# Altium PCB UM-64NNP-V1 rev 0.18_norail.PcbDoc (part 4 of 5)
Units mil, origin at the board's own origin, x right, y up, seen from the top; angles counter-clockwise.
Board outline 2614 x 1090.63 mil, 6 copper layers (L1, L2, L3, L4, L5, L6), stack 20.4 mil thick; 321 components, 171 nets, 960 pads, 1775 vias.
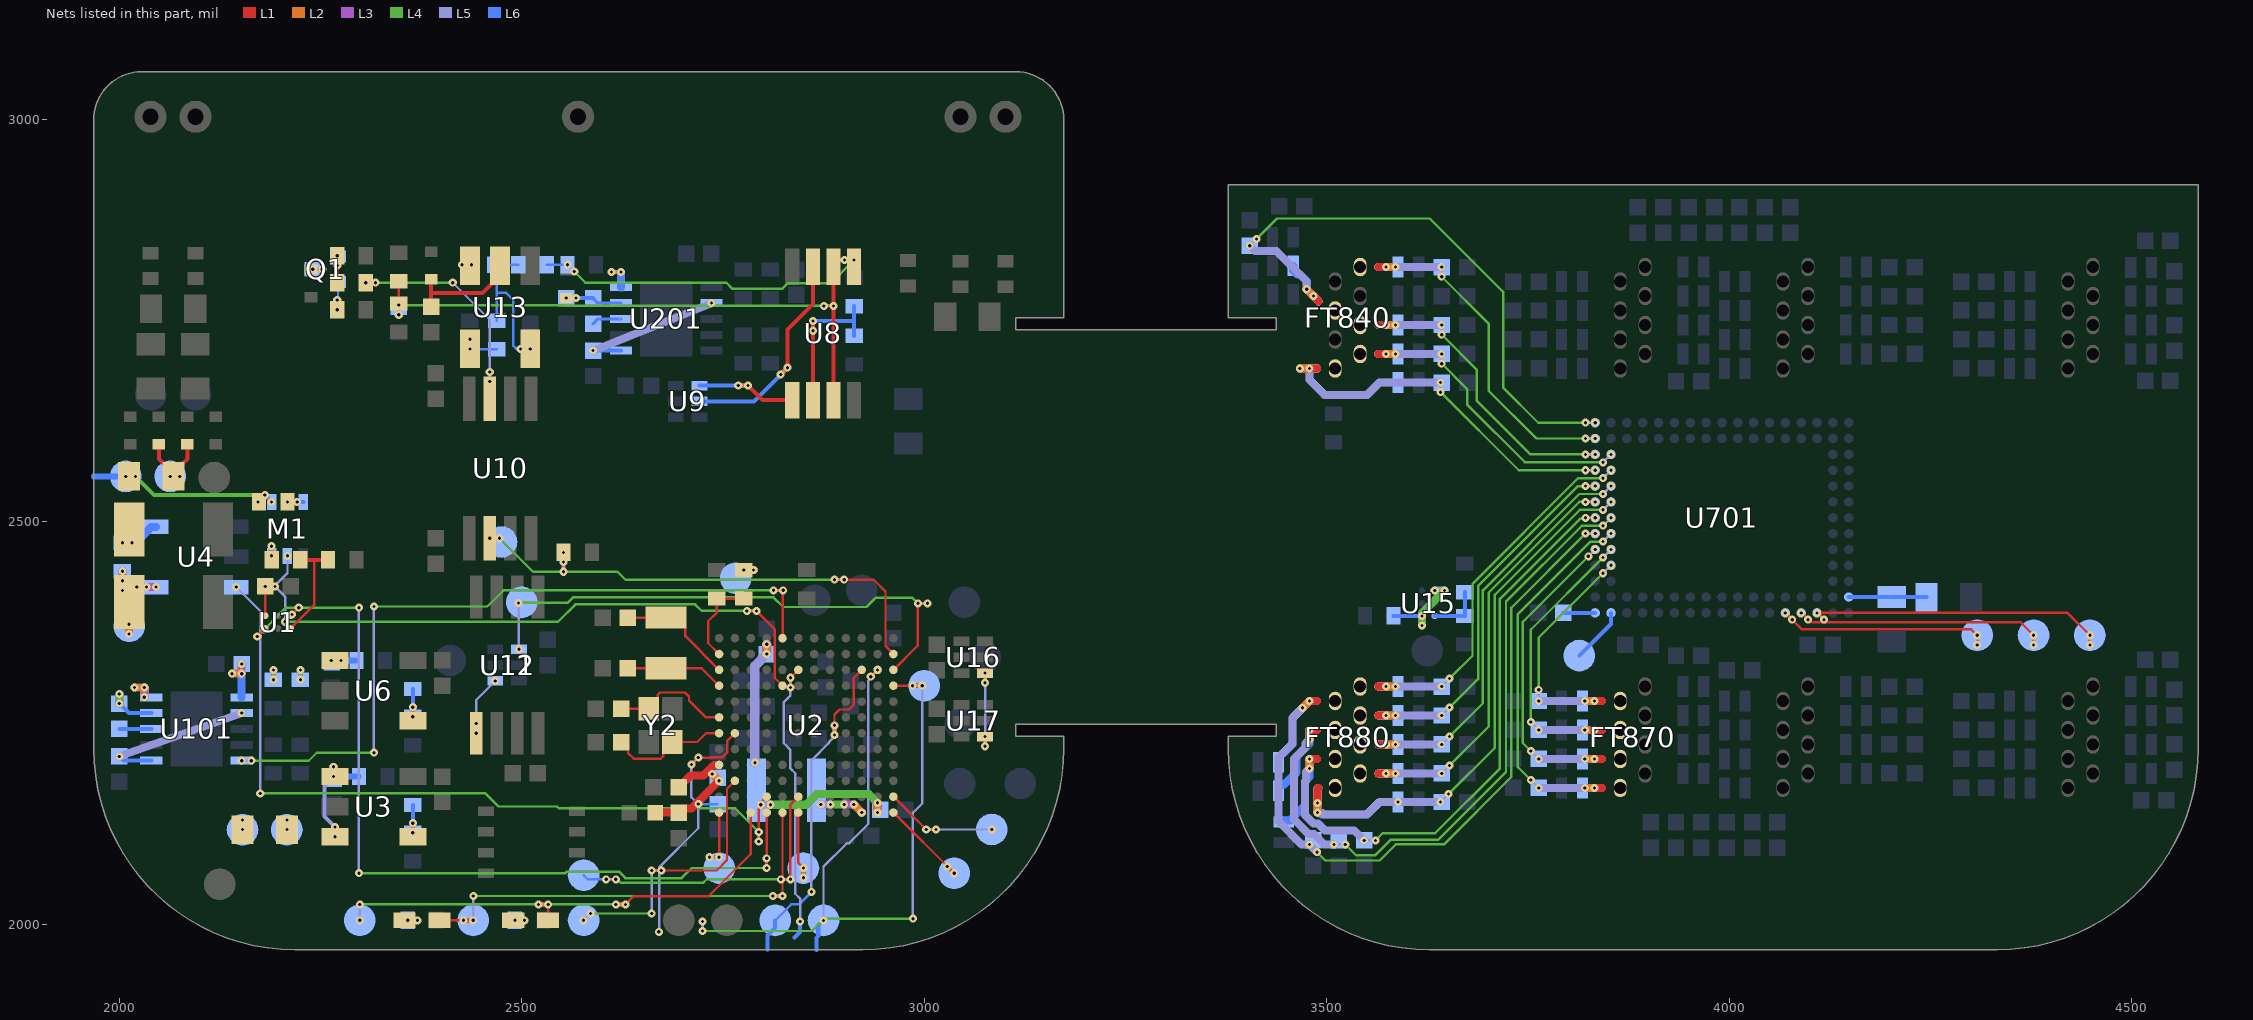
[diagram p8: the nets of this part, all layers, seen from the top]

## Via types
v1: diameter 10, hole 4, L5 to L6, tented bottom, 479 vias
v2: diameter 10, hole 4, L4 to L5, tented top, 389 vias
v3: diameter 10, hole 4, L3 to L4, 304 vias
v4: diameter 10, hole 4, L2 to L3, 295 vias
v5: diameter 10, hole 4, L1 to L2, tented top, 270 vias
v6: diameter 10, hole 4, L4 to L5, 32 vias
v7: diameter 10, hole 4, L3 to L4, tented both sides, 5 vias
v8: diameter 10, hole 4, L5 to L6, tented top, 1 vias

## Nets (pads, with @x,y where several pads share a name; then routed paths per layer and width w, separated by ;. In a path a pad name is that pad's centre, name@x,y a point inside that pad or via, vN(x,y) a via of type N, cw(c..) or ccw(c..) an arc to the next point about the centre after c; other vN are vias at no path point) (continued)
IN47: C842.2 D842.1 FT840.2 U701.A17 | length 869.7
  L1 w10: v5(3483.55,2780.45) 3490,2774
  L3 w10: v4(3475.07,2788.93) v5(3483.55,2780.45) 3490,2774
  L4 w3: v2(3412.74,2851.48) 3438.04,2876.78 3627.97,2876.78 3718.98,2785.77 3718.98,2666.81 3762.62,2623.18 v2(3821.37,2623.18)
  L4 w10: v4(3475.07,2788.93) v5(3483.55,2780.45) 3490,2774
  L2 w10: v4(3475.07,2788.93) v5(3483.55,2780.45) 3490,2774
  L5 w3: v1(3404.26,2842.99) v2(3412.74,2851.48) ; v2(3821.37,2623.18) v1(3833.37,2623.18)
  L5 w10: v1(3404.26,2842.99) 3411.05,2836.19 3437.72,2836.19 3475.07,2798.85 v4(3475.07,2788.93) v5(3483.55,2780.45) 3490,2774
  L6 w10: D842.1@3458.39,2818.04 3458.39,2812.13 3463.39,2807.13 3466.95,2807.13 3475.74,2798.35 3475.74,2788.26 v5(3483.55,2780.45) 3490,2774
  other v1: 3483.55,2780.45
  other v2: 3475.07,2788.93
  other v3: 3483.55,2780.45
IN48: C845.2 D845.1 FT840.5 U701.B17 | length 521.8
  L1 w10: 3564.38,2816.5 v1(3573.5,2816.5)
  L3 w10: 3564.38,2816.5 v1(3573.5,2816.5) v2(3585.5,2816.5)
  L4 w3: v2(3642.75,2804.5) 3700.99,2746.26 3700.99,2662.92 3760.42,2603.5 v2(3821.37,2603.5)
  L4 w10: 3564.38,2816.5 v1(3573.5,2816.5) v2(3585.5,2816.5)
  L2 w10: 3564.38,2816.5 v1(3573.5,2816.5) v2(3585.5,2816.5)
  L5 w3: v2(3642.75,2804.5) v1(3642.75,2816.5) ; v2(3821.37,2603.5) v1(3833.37,2603.5)
  L5 w10: 3564.38,2816.5 v1(3573.5,2816.5) ; v2(3585.5,2816.5) v1(3573.5,2816.5) ; v1(3642.75,2816.5) v1(3573.5,2816.5)
  L6 w10: 3564.38,2816.5 v1(3573.5,2816.5) D845.1@3588.62,2816.5
  other v3: 3573.5,2816.5
  other v4: 3585.5,2816.5
  other v5: 3573.5,2816.5
IN49: C848.2 D848.1 FT840.8 U701.C16 | length 475.5
  L1 w10: 3564.38,2708.5 v1(3573.5,2708.5)
  L3 w10: 3564.38,2708.5 v1(3573.5,2708.5) v2(3585.5,2708.5)
  L4 w3: v2(3642.75,2696.5) 3674.25,2665.01 3674.25,2645.73 3746.01,2573.97 v2(3843.21,2573.97)
  L4 w10: 3564.38,2708.5 v1(3573.5,2708.5) v2(3585.5,2708.5)
  L2 w10: 3564.38,2708.5 v1(3573.5,2708.5) v2(3585.5,2708.5)
  L5 w3: v2(3642.75,2696.5) v1(3642.75,2708.5) ; v2(3843.21,2573.97) v1(3853.05,2583.81)
  L5 w10: 3564.38,2708.5 v1(3573.5,2708.5) ; v2(3585.5,2708.5) v1(3573.5,2708.5) ; v1(3642.75,2708.5) v1(3573.5,2708.5)
  L6 w10: 3564.38,2708.5 v1(3573.5,2708.5) D848.1@3588.62,2708.5
  other v3: 3573.5,2708.5
  other v4: 3585.5,2708.5
  other v5: 3573.5,2708.5
IN50: C847.2 D847.1 FT840.7 U701.C17 | length 473.8
  L1 w10: 3564.38,2744.5 v1(3573.5,2744.5)
  L3 w10: 3564.38,2744.5 v1(3573.5,2744.5) v2(3585.5,2744.5)
  L4 w3: v2(3642.75,2732.5) 3686.11,2689.14 3686.11,2650.75 3753.05,2583.81 v2(3821.37,2583.81)
  L4 w10: 3564.38,2744.5 v1(3573.5,2744.5) v2(3585.5,2744.5)
  L2 w10: 3564.38,2744.5 v1(3573.5,2744.5) v2(3585.5,2744.5)
  L5 w3: v2(3642.75,2732.5) v1(3642.75,2744.5) ; v2(3821.37,2583.81) v1(3833.37,2583.81)
  L5 w10: 3564.38,2744.5 v1(3573.5,2744.5) ; v2(3585.5,2744.5) v1(3573.5,2744.5) ; v1(3642.75,2744.5) v1(3573.5,2744.5)
  L6 w10: 3564.38,2744.5 v1(3573.5,2744.5) D847.1@3588.62,2744.5
  other v3: 3573.5,2744.5
  other v4: 3585.5,2744.5
  other v5: 3573.5,2744.5
IN51: C885.2 D885.1 FT880.5 U701.D16 | length 560.8
  L1 w10: 3564.38,2295.5 v1(3573.5,2295.5)
  L3 w10: 3564.38,2295.5 v1(3573.5,2295.5) v2(3585.5,2295.5)
  L4 w3: v2(3652.59,2305.34) 3681.01,2333.77 3681.01,2422.86 3812.44,2554.29 v2(3843.21,2554.29)
  L4 w10: 3564.38,2295.5 v1(3573.5,2295.5) v2(3585.5,2295.5)
  L2 w10: 3564.38,2295.5 v1(3573.5,2295.5) v2(3585.5,2295.5)
  L5 w3: v1(3642.75,2295.5) v2(3652.59,2305.34) ; v2(3843.21,2554.29) v1(3853.05,2564.13)
  L5 w10: 3564.38,2295.5 v1(3573.5,2295.5) ; v2(3585.5,2295.5) v1(3573.5,2295.5) ; v1(3642.75,2295.5) v1(3573.5,2295.5)
  L6 w10: 3564.38,2295.5 v1(3573.5,2295.5) D885.1@3588.62,2295.5
  other v3: 3573.5,2295.5
  other v4: 3585.5,2295.5
  other v5: 3573.5,2295.5
IN52: C844.2 D844.1 FT840.4 U701.D17 | length 676.5
  L1 w10: v1(3478.51,2690.5) 3487.63,2690.5
  L3 w10: v2(3466.51,2690.5) v1(3478.51,2690.5) 3487.63,2690.5
  L4 w3: v2(3641.45,2661.07) 3738.39,2564.13 v2(3821.37,2564.13)
  L4 w10: v2(3466.51,2690.5) v1(3478.51,2690.5) 3487.63,2690.5
  L2 w10: v2(3466.51,2690.5) v1(3478.51,2690.5) 3487.63,2690.5
  L5 w3: v2(3641.45,2661.07) v1(3641.45,2673.07) ; v2(3821.37,2564.13) v1(3833.37,2564.13)
  L5 w10: v2(3466.51,2690.5) v1(3478.51,2690.5) ; 3487.63,2690.5 v1(3478.51,2690.5) ; v1(3641.45,2673.07) 3565.36,2673.07 3549.79,2657.5 3497.48,2657.5 3478.51,2676.47 v1(3478.51,2690.5)
  L6 w10: 3487.63,2690.5 v1(3478.51,2690.5) 3478.51,2676.47 3497.48,2657.5 3549.79,2657.5 3565.36,2673.07 D844.1@3588.62,2673.07
  other v3: 3478.51,2690.5
  other v4: 3466.51,2690.5
  other v5: 3478.51,2690.5
IN53: C887.2 D887.1 FT880.7 U701.E16 | length 612.4
  L1 w10: 3564.38,2223.5 v1(3573.5,2223.5)
  L3 w10: 3564.38,2223.5 v1(3573.5,2223.5) v2(3585.5,2223.5)
  L4 w3: v2(3652.59,2233.34) 3694.01,2274.76 3694.01,2414.92 3813.68,2534.6 v2(3843.21,2534.6)
  L4 w10: 3564.38,2223.5 v1(3573.5,2223.5) v2(3585.5,2223.5)
  L2 w10: 3564.38,2223.5 v1(3573.5,2223.5) v2(3585.5,2223.5)
  L5 w3: v1(3642.75,2223.5) v2(3652.59,2233.34) ; v2(3843.21,2534.6) v1(3853.05,2544.44)
  L5 w10: 3564.38,2223.5 v1(3573.5,2223.5) ; v2(3585.5,2223.5) v1(3573.5,2223.5) ; v1(3642.75,2223.5) v1(3573.5,2223.5)
  L6 w10: 3564.38,2223.5 v1(3573.5,2223.5) D887.1@3588.62,2223.5
  other v3: 3573.5,2223.5
  other v4: 3585.5,2223.5
  other v5: 3573.5,2223.5
IN54: C886.2 D886.1 FT880.6 U701.E17 | length 563.4
  L1 w10: 3564.38,2259.5 v1(3573.5,2259.5)
  L3 w10: 3564.38,2259.5 v1(3573.5,2259.5) v2(3585.5,2259.5)
  L4 w3: v2(3652.59,2269.34) 3688.01,2304.76 3688.01,2420.32 3812.12,2544.44 v2(3821.37,2544.44)
  L4 w10: 3564.38,2259.5 v1(3573.5,2259.5) v2(3585.5,2259.5)
  L2 w10: 3564.38,2259.5 v1(3573.5,2259.5) v2(3585.5,2259.5)
  L5 w3: v1(3642.75,2259.5) v2(3652.59,2269.34) ; v2(3821.37,2544.44) v1(3833.37,2544.44)
  L5 w10: 3564.38,2259.5 v1(3573.5,2259.5) ; v2(3585.5,2259.5) v1(3573.5,2259.5) ; v1(3642.75,2259.5) v1(3573.5,2259.5)
  L6 w10: 3564.38,2259.5 v1(3573.5,2259.5) D886.1@3588.62,2259.5
  other v3: 3573.5,2259.5
  other v4: 3585.5,2259.5
  other v5: 3573.5,2259.5
IN55: C884.2 D884.1 FT880.4 U701.F16 | length 913.7
  L1 w10: v1(3488.6,2150.87) 3488.6,2168.37 3489.73,2169.5
  L3 w10: v2(3488.6,2138.87) v1(3488.6,2150.87) 3488.6,2169.55
  L4 w3: v2(3651.29,2161.91) 3708.69,2219.31 3708.69,2409.36 3814.25,2514.92 v2(3843.21,2514.92)
  L4 w10: v2(3488.6,2138.87) v1(3488.6,2150.87) 3488.6,2169.11
  L2 w10: v2(3488.6,2138.87) v1(3488.6,2150.87) 3488.6,2168.37 3489.73,2169.5
  L5 w3: v1(3641.45,2152.07) v2(3651.29,2161.91) ; v2(3843.21,2514.92) v1(3853.05,2524.76)
  L5 w10: v2@3488.53,2138.8 3489,2138.33 3494.66,2138.33 3496.49,2136.5 3549.79,2136.5 3565.36,2152.07 v1(3588.62,2152.07) v1(3641.45,2152.07) ; v2(3488.6,2138.87) v1(3488.6,2150.87) 3488.6,2168.37
  L6 w10: 3488.6,2168.37 v1(3488.6,2150.87) 3488.6,2141.5 3493.6,2136.5 3549.79,2136.5 3550.97,2137.68 3565.36,2152.07 v1(3588.62,2152.07)
  other v3: 3488.6,2150.87
  other v4: 3488.6,2138.87
  other v5: 3488.6,2150.87
IN56: C888.2 D888.1 FT880.8 U701.F17 | length 614.8
  L1 w10: 3564.38,2187.5 v1(3573.5,2187.5)
  L3 w10: 3564.38,2187.5 v1(3573.5,2187.5) v2(3585.5,2187.5)
  L4 w3: v2(3652.59,2197.34) 3701.2,2245.96 3701.2,2412.28 3813.68,2524.76 v2(3821.37,2524.76)
  L4 w10: 3564.38,2187.5 v1(3573.5,2187.5) v2(3585.5,2187.5)
  L2 w10: 3564.38,2187.5 v1(3573.5,2187.5) v2(3585.5,2187.5)
  L5 w3: v1(3642.75,2187.5) v2(3652.59,2197.34) ; v2(3821.37,2524.76) v1(3833.37,2524.76)
  L5 w10: 3564.38,2187.5 v1(3573.5,2187.5) ; v2(3585.5,2187.5) v1(3573.5,2187.5) ; v1(3642.75,2187.5) v1(3573.5,2187.5)
  L6 w10: 3564.38,2187.5 v1(3573.5,2187.5) D888.1@3588.62,2187.5
  other v3: 3573.5,2187.5
  other v4: 3585.5,2187.5
  other v5: 3573.5,2187.5
IN57: C882.2 D882.1 FT880.2 U701.G16 | length 1014.1
  L1 w10: v1(3478.51,2241.5) 3487.63,2241.5
  L3 w10: v2(3478.51,2229.5) v1(3478.51,2241.5) 3487.63,2241.5
  L4 w3: v2(3523.01,2099.42) 3536.72,2085.71 3559.92,2085.71 3579.63,2105.42 3638.64,2105.42 3722.67,2189.45 3722.67,2400.98 3816.92,2495.23 v2(3843.21,2495.23)
  L4 w10: v2(3478.51,2229.5) v1(3478.51,2241.5) 3487.63,2241.5
  L2 w10: v2(3478.51,2229.5) v1(3478.51,2241.5) 3487.63,2241.5
  L5 w3: v1(3509.1,2099.42) v2(3523.01,2099.42) ; v2(3843.21,2495.23) v1(3853.05,2505.07)
  L5 w10: 3487.63,2241.5 3483.26,2241.5 v1(3478.51,2241.5) v2(3478.51,2229.5) 3473.75,2224.75 3473.75,2220.12 3459.21,2205.57 3459.21,2130.65 3477.54,2112.33 3483.89,2112.33 3496.8,2099.42 v1(3509.1,2099.42)
  L6 w10: D882.1@3440.3,2165.85 3440.3,2171.76 3442.19,2173.65 3447.24,2173.65 3462.38,2188.78 3462.38,2208.74 3478.51,2224.87 v1(3478.51,2241.5) 3487.63,2241.5
  other v3: 3478.51,2241.5
  other v4: 3478.51,2229.5
  other v5: 3478.51,2241.5
IN58: C883.2 D883.1 FT880.3 U701.G17 | length 920.2
  L1 w10: v1(3478.51,2205.5) 3487.63,2205.5
  L3 w10: v2(3478.51,2193.5) v1(3478.51,2205.5) 3487.63,2205.5
  L4 w3: v2(3560.42,2104.37) 3569.56,2113.51 3634.82,2113.51 3715.04,2193.73 3715.04,2404.41 3814.35,2503.73 3820.03,2503.73 v2(3821.37,2505.07)
  L4 w10: v2(3478.51,2193.5) v1(3478.51,2205.5) 3487.63,2205.5
  L2 w10: v2(3478.51,2193.5) v1(3478.51,2205.5) 3487.63,2205.5
  L5 w3: v1(3546.5,2104.37) v2(3560.42,2104.37) ; v2(3821.37,2505.07) v1(3833.37,2505.07)
  L5 w10: 3487.63,2205.5 3482.65,2205.5 v1(3478.51,2205.5) v2(3478.51,2193.5) 3474.37,2189.36 3474.37,2178.22 3472.94,2176.8 3472.94,2136 3483.61,2125.33 3489.28,2125.33 3497.89,2116.72 3534.16,2116.72 v1(3546.5,2104.37)
  L6 w10: D883.1@3446.59,2127.42 3448.48,2129.31 3454.39,2129.31 3472.83,2147.75 3472.83,2177.75 3478.51,2183.43 v1(3478.51,2205.5) 3487.63,2205.5
  other v3: 3478.51,2205.5
  other v4: 3478.51,2193.5
  other v5: 3478.51,2205.5
IN59: C874.2 D874.1 FT870.4 U701.H16 | length 570.6
  L1 w10: v1(3832.51,2169.5) 3841.63,2169.5
  L3 w10: v2(3820.51,2169.5) v1(3832.51,2169.5) 3841.63,2169.5
  L4 w3: v2(3753.42,2179.34) 3737.46,2195.3 3737.46,2385.37 3827.63,2475.54 v2(3843.21,2475.54)
  L4 w10: v2(3820.51,2169.5) v1(3832.51,2169.5) 3841.63,2169.5
  L2 w10: v2(3820.51,2169.5) v1(3832.51,2169.5) 3841.63,2169.5
  L5 w3: v2(3753.42,2179.34) v1(3763.26,2169.5) ; v2(3843.21,2475.54) v1(3853.05,2485.38)
  L5 w10: v1(3763.26,2169.5) v1(3832.51,2169.5) ; v2(3820.51,2169.5) v1(3832.51,2169.5) ; 3841.63,2169.5 v1(3832.51,2169.5)
  L6 w10: D874.1@3817.39,2169.5 v1(3832.51,2169.5) 3841.63,2169.5
  other v3: 3832.51,2169.5
  other v4: 3820.51,2169.5
  other v5: 3832.51,2169.5
IN60: C881.2 D881.1 FT880.1 U701.H17 | length 1053
  L1 w10: v1(3478.51,2277.5) 3487.63,2277.5
  L3 w10: v2(3470.02,2269.02) v1(3478.51,2277.5) 3487.63,2277.5
  L4 w3: v2(3487.78,2089.69) 3498.05,2079.42 3565.78,2079.42 3585.78,2099.42 3645.46,2099.42 3729.4,2183.36 3729.4,2393.41 v2(3821.37,2485.38)
  L4 w10: v2(3470.02,2269.02) v1(3478.51,2277.5) 3487.63,2277.5
  L2 w10: v2(3470.02,2269.02) v1(3478.51,2277.5) 3487.63,2277.5
  L5 w3: v2(3821.37,2485.38) v1(3833.37,2485.38)
  L5 w10: 3487.63,2277.5 v1(3478.51,2277.5) 3457.5,2256.5 3457.5,2225.22 3457.44,2225.16 3457.44,2224.33 3440.3,2207.19 3440.3,2127.8 3468.78,2099.33 v1(3478.51,2099.33) 3478.51,2098.97 v2(3487.78,2089.69)
  L6 w10: D881.1@3440.3,2201.28 3440.3,2207.19 3445.3,2212.19 3445.62,2212.19 3457.5,2224.08 3457.5,2256.5 v1(3478.51,2277.5) 3487.63,2277.5
  other v3: 3478.51,2277.5
  other v4: 3470.02,2269.02
  other v5: 3478.51,2277.5
IN61: C872.2 D872.1 FT870.2 U701.J16 | length 456.6
  L1 w10: v1(3832.51,2241.5) 3841.63,2241.5
  L3 w10: v2(3820.51,2241.5) v1(3832.51,2241.5) 3841.63,2241.5
  L4 w3: v2(3753.42,2251.34) 3753.42,2366.06 v2(3843.21,2455.86)
  L4 w10: v2(3820.51,2241.5) v1(3832.51,2241.5) 3841.63,2241.5
  L2 w10: v2(3820.51,2241.5) v1(3832.51,2241.5) 3841.63,2241.5
  L5 w3: v2(3753.42,2251.34) v1(3763.26,2241.5) ; v2(3843.21,2455.86) v1(3853.05,2465.7)
  L5 w10: v1(3763.26,2241.5) v1(3832.51,2241.5) ; v2(3820.51,2241.5) v1(3832.51,2241.5) ; 3841.63,2241.5 v1(3832.51,2241.5)
  L6 w10: D872.1@3817.39,2241.5 v1(3832.51,2241.5) 3841.63,2241.5
  other v3: 3832.51,2241.5
  other v4: 3820.51,2241.5
  other v5: 3832.51,2241.5
IN62: C873.2 D873.1 FT870.3 U701.J17 | length 492.7
  L1 w10: v1(3832.51,2205.5) 3841.63,2205.5
  L3 w10: v2(3820.51,2205.5) v1(3832.51,2205.5) 3841.63,2205.5
  L4 w3: v2(3753.42,2215.34) 3743.46,2225.3 3743.46,2375.79 v2(3824.88,2457.21)
  L4 w10: v2(3820.51,2205.5) v1(3832.51,2205.5) 3841.63,2205.5
  L2 w10: v2(3820.51,2205.5) v1(3832.51,2205.5) 3841.63,2205.5
  L5 w3: v2(3753.42,2215.34) v1(3763.26,2205.5) ; v2(3824.88,2457.21) v1(3833.37,2465.7)
  L5 w10: v1(3763.26,2205.5) v1(3832.51,2205.5) ; v2(3820.51,2205.5) v1(3832.51,2205.5) ; 3841.63,2205.5 v1(3832.51,2205.5)
  L6 w10: D873.1@3817.39,2205.5 v1(3832.51,2205.5) 3841.63,2205.5
  other v3: 3832.51,2205.5
  other v4: 3820.51,2205.5
  other v5: 3832.51,2205.5
IN63: C871.2 D871.1 FT870.1 U701.K16 | length 392.8
  L1 w10: v1(3832.51,2277.5) 3841.63,2277.5
  L3 w10: v2(3820.51,2277.5) v1(3832.51,2277.5) 3841.63,2277.5
  L4 w3: v2(3763.26,2291.42) 3763.26,2356.21 v2(3843.21,2436.17)
  L4 w10: v2(3820.51,2277.5) v1(3832.51,2277.5) 3841.63,2277.5
  L2 w10: v2(3820.51,2277.5) v1(3832.51,2277.5) 3841.63,2277.5
  L5 w3: v1(3763.26,2277.5) v2(3763.26,2291.42) ; v2(3843.21,2436.17) v1(3853.05,2446.01)
  L5 w10: v1(3763.26,2277.5) v1(3832.51,2277.5) ; v2(3820.51,2277.5) v1(3832.51,2277.5) ; 3841.63,2277.5 v1(3832.51,2277.5)
  L6 w10: D871.1@3817.39,2277.5 v1(3832.51,2277.5) 3841.63,2277.5
  other v3: 3832.51,2277.5
  other v4: 3820.51,2277.5
  other v5: 3832.51,2277.5
MCO: TP23.1 U2.D12 | length 644
  L1 w3: U2.D12@2961.83,2296.49 v5(2985.58,2296.49)
  L3 w5: v5(2985.58,2296.49) v4(2997.58,2296.49)
  L4 w3: v6@2726.84,1991.8 2860.28,1991.8 2875.66,2007.18 v6(2986,2007.18)
  L4 w5: v5(2985.58,2296.49) v4(2997.58,2296.49)
  L2 w5: v5(2985.58,2296.49) v4(2997.58,2296.49)
  L5 w3: v6(2724.84,1991.8) v1(2724.84,2003.8) ; v5(2985.58,2296.49) v1@2986,2296.06 ; v6(2986,2007.18) 2986,2138.71 2997.58,2150.29 v4(2997.58,2296.49)
  L5 w5: v5(2985.58,2296.49) v4(2997.58,2296.49)
  other v1: 2985.58,2296.49
  other v2: 2997.58,2296.49
  other v3: 2985.58,2296.49
NetC2_1: C2.1 U2.G1 Y2.1 | length 150.1
  L1 w3: C2.1@2623.48,2226.53 2632.09,2217.91 2632.09,2213.06 2639.42,2205.74 2672.74,2205.74 2676,2209.01 2676,2213.34 2687.3,2224.64 Y2.1@2687.3,2226.61 2718.19,2226.61 2729.01,2237.43 U2.G1@2745.29,2237.43
NetC3_1: C3.1 U2.F1 Y2.3 | length 149.3
  L1 w3: C3.1@2623.48,2267.94 Y2.3@2657.77,2267.94 2669.07,2279.24 2669.07,2285.14 2671.95,2288.02 2703.11,2288.02 2707.86,2283.27 2707.86,2278.27 2729.01,2257.12 U2.F1@2745.29,2257.12
NetC15_2: C15.2 U2.D1 Y1.1 | length 122.2
  L1 w3: C15.2@2632.1,2318.14 2723.64,2318.14 U2.D1@2745.29,2296.49
NetC24_1: C24.1 U2.J1 | length 61.5
  L1 w10: C24.1@2695.09,2170.31 2709.59,2184.8 2725.78,2184.8 2738.92,2197.94 U2.J1@2745.17,2197.94
NetC29_1: C29.1 C201.1 D11.1 U201.4 | length 119
  L3 w3: v3(2555.56,2778.11) v2(2567.56,2778.11)
  L4 w3: v3(2555.56,2778.11) v2(2567.56,2778.11)
  L2 w3: v3(2555.56,2778.11) v2(2567.56,2778.11)
  L5 w3: v3(2555.56,2778.11) v2(2567.56,2778.11)
  L6 w4: C201.1@2588.83,2777.62 2594.74,2771.71 U201.4@2623.59,2771.71
  L6 w5: v3(2555.56,2778.11) 2588.83,2778.11 C201.1@2588.83,2777.62
  other v1: 2555.56,2778.11
  other v4: 2567.56,2778.11
  other v5: 2555.56,2778.11
NetC31_1: C31.1 D12.2 U13.2 | length 140.4
  L1 w5: C31.1@2387.74,2767.22 2387.74,2784.2 ; D12.2@2387.74,2801.18 2387.74,2784.2 ; U13.2@2473.25,2818.01 2473.25,2806.2 2451.25,2784.2 2387.74,2784.2
NetC33_2: C33.2 U13.3 | length 48
  L3 w3: v2(2425.82,2819.35) v1(2437.82,2819.35)
  L4 w3: v2(2425.82,2819.35) v1(2437.82,2819.35)
  L2 w3: v2(2425.82,2819.35) v1(2437.82,2819.35)
  L5 w3: v2(2425.82,2819.35) v1(2437.82,2819.35)
  other v3: 2437.82,2819.35
  other v4: 2425.82,2819.35
  other v5: 2437.82,2819.35
NetC36_1: C36.1 C39.1 L6.2 U2.K1 | length 143.9
  L1 w10: L6.2@2665.76,2138.81 C36.1@2695.09,2138.81 2700.33,2144.05 2710.96,2144.05 v3(2745.29,2178.38)
  L3 w10: v2(2736.8,2186.86) v3(2745.29,2178.38)
  L4 w10: v2(2736.8,2186.86) v3(2745.29,2178.38)
  L2 w10: v2(2736.8,2186.86) v3(2745.29,2178.38)
  L5 w10: v2(2736.8,2186.86) v3(2745.29,2178.38)
  other v1: 2745.29,2178.38
  other v4: 2736.8,2186.86
  other v5: 2745.29,2178.38
NetC38_2: C38.2 U2.C1 Y1.2 | length 146.4
  L1 w3: C38.2@2632.1,2381.13 Y1.2@2679.35,2381.13 2691.16,2381.13 2703.44,2368.85 2703.44,2358.03 U2.C1@2745.29,2316.17
NetC101_2: C101.2 U101.3 | length 39.8
  L6 w5: C101.2@2000.33,2242.75 U101.3@2040.12,2242.75
NetC102_1: C102.1 U101.1 U101.7 | length 203.2
  L5 w10: v1(2000.33,2208.69) v1(2152.32,2262.43)
  L6 w5: v1(2000.33,2208.69) 2005.65,2203.38 U101.1@2040.12,2203.38
NetC201_2: C201.2 U201.3 | length 37.2
  L6 w4: C201.2@2588.83,2746.12 2594.74,2752.03 U201.3@2623.59,2752.03
NetC202_1: C202.1 U201.1 U201.7 | length 193.2
  L5 w10: v1(2588.83,2712.66) v1(2735.8,2771.71)
  L6 w5: v1(2588.83,2712.66) U201.1@2623.59,2712.66
NetC703_1: C703.1 U701.N17 | length 39.4
  L6 w5: C703.1@3793.99,2386.96 U701.N17@3833.37,2386.96
NetD1_2: D1.2 R78.2 | length 48
  L3 w5: v3(2491.63,2005.11) v4(2503.63,2005.11)
  L4 w5: v3(2491.63,2005.11) v4(2503.63,2005.11)
  L2 w5: v3(2491.63,2005.11) v4(2503.63,2005.11)
  L5 w5: v3(2491.63,2005.11) v4(2503.63,2005.11)
  other v1: 2491.63,2005.11
  other v2: 2503.63,2005.11
  other v5: 2491.63,2005.11
NetD2_2: D2.2 R16.2 | length 48
  L3 w5: v5(2358.54,2005.11) v4(2370.54,2005.11)
  L4 w5: v5(2358.54,2005.11) v4(2370.54,2005.11)
  L2 w5: v5(2358.54,2005.11) v4(2370.54,2005.11)
  L5 w5: v5(2358.54,2005.11) v4(2370.54,2005.11)
  other v1: 2358.54,2005.11
  other v2: 2370.54,2005.11
  other v3: 2358.54,2005.11
NetD9_2: D9.2 Q1.3 | length 48
  L3 w3: v1(2240.49,2813.75) v2(2252.49,2813.75)
  L4 w3: v1(2240.49,2813.75) v2(2252.49,2813.75)
  L2 w3: v1(2240.49,2813.75) v2(2252.49,2813.75)
  L5 w3: v1(2240.49,2813.75) v2(2252.49,2813.75)
  other v3: 2240.49,2813.75
  other v4: 2252.49,2813.75
  other v5: 2240.49,2813.75
NetL101_1: L101.1 U101.5 | length 48
  L3 w10: v1(2031.37,2282.21) v2(2031.37,2294.21)
  L4 w10: v1(2031.37,2282.21) v2(2031.37,2294.21)
  L2 w10: v5(2019.37,2294.21) v2(2031.37,2294.21)
  L5 w10: v1(2031.37,2282.21) v2(2031.37,2294.21)
  other v3: 2031.37,2282.21
  other v4: 2031.37,2294.21
NetL201_1: L201.1 U201.5 | length 66.9
  L3 w5: v2(2611.59,2810.3) v3(2623.59,2810.3)
  L4 w5: v2(2611.59,2810.3) v3(2623.59,2810.3)
  L2 w5: v2(2611.59,2810.3) v3(2623.59,2810.3)
  L5 w5: v2(2611.59,2810.3) v3(2623.59,2810.3)
  L6 w10: U201.5@2623.59,2791.4 v3(2623.59,2810.3)
  other v1: 2623.59,2810.3
  other v4: 2611.59,2810.3
  other v5: 2623.59,2810.3
NetM1_3: M1.3 R3.1 | length 48
  L3 w5: v5(2189.53,2457.8) v4(2189.53,2469.8)
  L4 w5: v5(2189.53,2457.8) v4(2189.53,2469.8)
  L2 w5: v5(2189.53,2457.8) v4(2189.53,2469.8)
  L5 w5: v5(2189.53,2457.8) v4(2189.53,2469.8)
  other v1: 2189.53,2457.8
  other v2: 2189.53,2469.8
  other v3: 2189.53,2457.8
NetM1_5: M1.5 M1.6 R1.2 | length 67.7
  L3 w5: v5(2209.21,2524.73) v4(2221.21,2524.73)
  L4 w5: v5(2209.21,2524.73) v4(2221.21,2524.73)
  L2 w5: v5(2209.21,2524.73) v4(2221.21,2524.73)
  L5 w5: v5(2209.21,2524.73) v4(2221.21,2524.73)
  L6 w5: v5(2209.21,2524.73) M1.6@2228.9,2524.73
  other v1: 2209.21,2524.73
  other v2: 2221.21,2524.73
  other v3: 2209.21,2524.73
NetQ1_1: Q1.1 R19.2 R21.1 | length 81.5
  L1 w3: R21.1@2271,2797.02 v1(2271,2830.48)
  L3 w5: v2(2271,2818.48) v1(2271,2830.48)
  L4 w5: v2(2271,2818.48) v1(2271,2830.48)
  L2 w5: v2(2271,2818.48) v1(2271,2830.48)
  L5 w5: v2(2271,2818.48) v1(2271,2830.48)
  other v3: 2271,2830.48
  other v4: 2271,2818.48
  other v5: 2271,2830.48
NetQ1_2: Q1.2 R18.2 | length 83.4
  L3 w3: v1(2271,2763.55) v2(2271,2775.55)
  L4 w3: v1(2271,2763.55) v2(2271,2775.55)
  L2 w3: v1(2271,2763.55) v2(2271,2775.55)
  L5 w3: v1(2271,2763.55) v2(2271,2775.55)
  L6 w3: v1(2271,2763.55) 2271.98,2763.55 Q1.2@2271.98,2798
  other v3: 2271,2763.55
  other v4: 2271,2775.55
  other v5: 2271,2763.55
NetR3_2: R3.2 R33.1 U1.C1 | length 131.6
  L1 w3: U1.C1@2213.18,2367.65 2242.22,2396.69 2242.22,2452.73
  L1 w5: R3.2@2224.96,2452.73 2242.22,2452.73 R33.1@2259.49,2452.73
NetR4_2: R4.2 R5.2 U701.M1 | length 92.7
  L6 w5: U701.M1@4148.33,2406.64 R5.2@4197.69,2406.64 ; R5.2@4201.63,2406.64 R4.2@4244.94,2406.64
NetR11_2: R11.2 R14.1 U3.4 | length 82.5
  L3 w5: v5(2364.84,2113.75) v4(2364.84,2125.75)
  L4 w5: v5(2364.84,2113.75) v4(2364.84,2125.75)
  L2 w5: v5(2364.84,2113.75) v4(2364.84,2125.75)
  L5 w5: v5(2364.84,2113.75) v4(2364.84,2125.75)
  L6 w5: v5(2364.84,2113.75) R11.2@2364.84,2148.28
  other v1: 2364.84,2113.75
  other v2: 2364.84,2125.75
  other v3: 2364.84,2113.75
NetR12_1: R12.1 R15.1 U2.B1 | length 112.4
  L1 w3: U2.B1@2745.29,2335.86 2731.84,2349.3 2731.84,2376.84 2742.57,2387.57 R15.1@2742.57,2404.75 R12.1@2776.04,2404.75
NetR20_2: R20.2 R22.1 U6.4 | length 82.5
  L3 w5: v5(2364.84,2257.86) v4(2364.84,2269.86)
  L4 w5: v5(2364.84,2257.86) v4(2364.84,2269.86)
  L2 w5: v5(2364.84,2257.86) v4(2364.84,2269.86)
  L5 w5: v5(2364.84,2257.86) v4(2364.84,2269.86)
  L6 w5: v5(2364.84,2257.86) R20.2@2364.84,2292.39
  other v1: 2364.84,2257.86
  other v2: 2364.84,2269.86
  other v3: 2364.84,2257.86
NetR31_2: R31.2 R32.2 U13.4 | length 81.7
  L3 w3: v1(2435.85,2714.86) v2(2435.85,2726.86)
  L4 w3: v1(2435.85,2714.86) v2(2435.85,2726.86)